# Altium PCB rev6.PcbDoc (part 2 of 4)
Units mil, origin at the board's own origin, x right, y up, seen from the top; angles counter-clockwise.
Board outline 1000 x 900 mil, 2 copper layers (Top Layer, Bottom Layer); 180 components, 16 nets, 1920 pads, 0 vias.
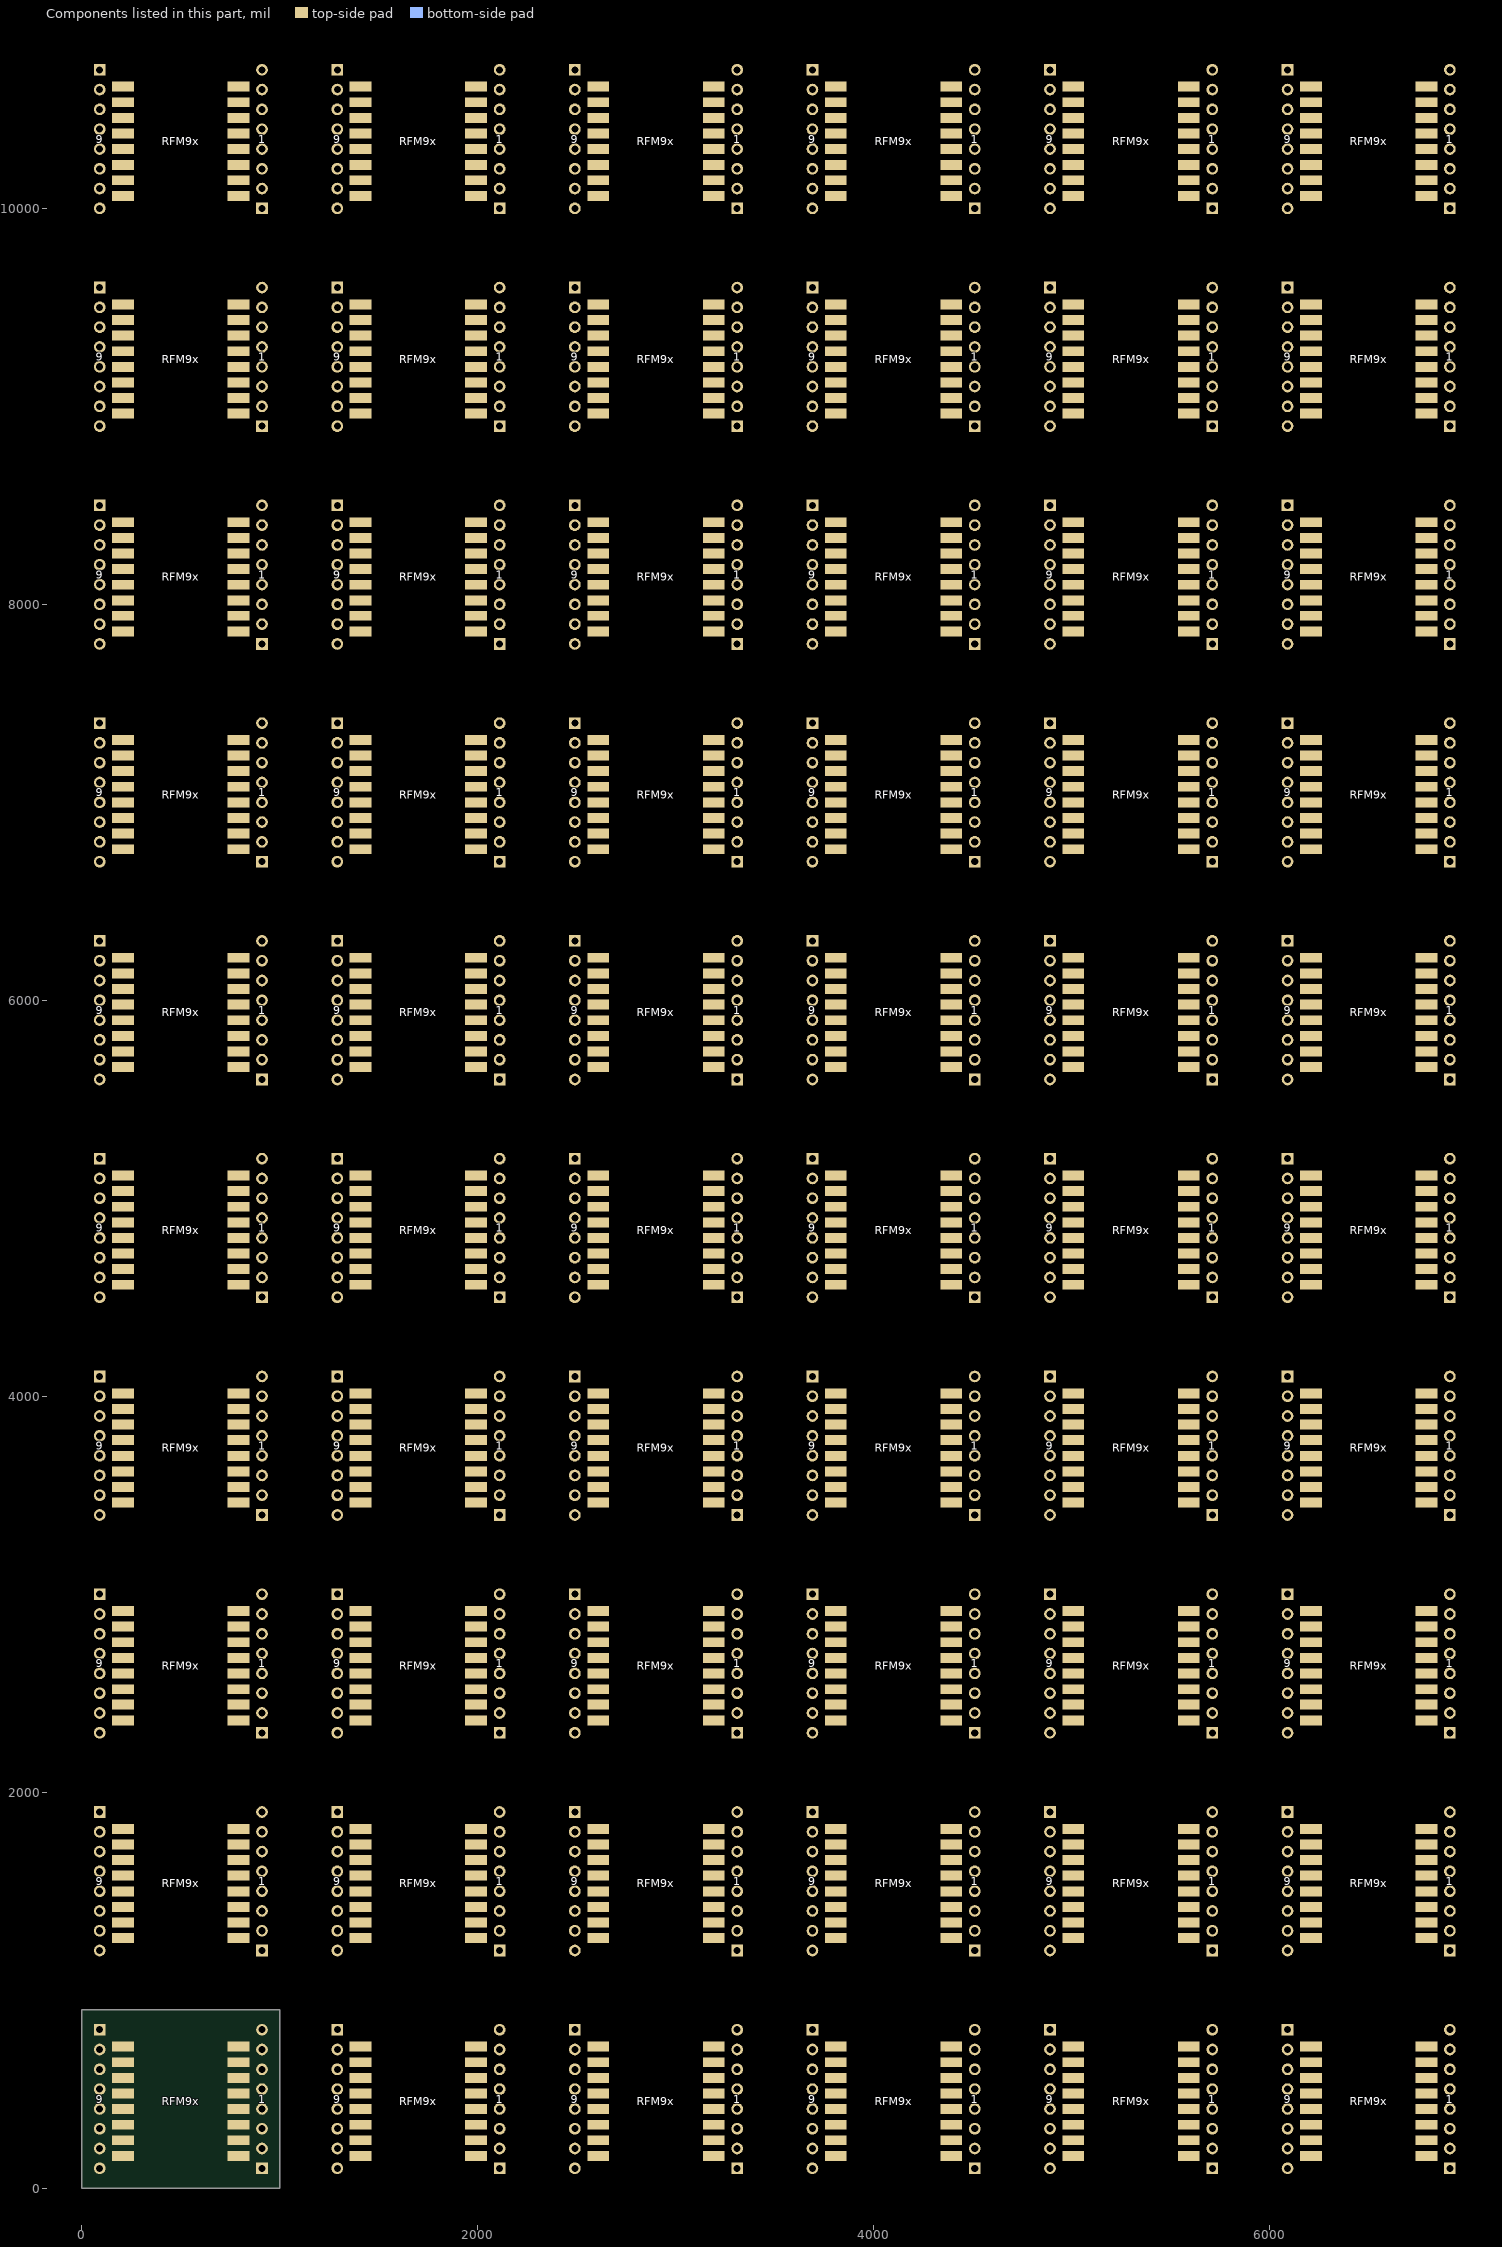
[diagram p2: the components of this part, seen from the top]

## Nets (pads, with @x,y where several pads share a name; then routed paths per layer and width w, separated by ;. In a path a pad name is that pad's centre, name@x,y a point inside that pad or via, vN(x,y) a via of type N, cw(c..) or ccw(c..) an arc to the next point about the centre after c; other vN are vias at no path point) (continued)
pads on no net: 1.1@910,1200 1.1@910,2300 1.1@910,3400 1.1@910,4500 1.1@910,5600 1.1@910,6700 1.1@910,7800 1.1@910,8900 1.1@910,10000 1.1@2110,100 1.1@2110,1200 1.1@2110,2300 1.1@2110,3400 1.1@2110,4500 1.1@2110,5600 1.1@2110,6700 1.1@2110,7800 1.1@2110,8900 1.1@2110,10000 1.1@3310,100 1.1@3310,1200 1.1@3310,2300 1.1@3310,3400 1.1@3310,4500 1.1@3310,5600 1.1@3310,6700 1.1@3310,7800 1.1@3310,8900 1.1@3310,10000 1.1@4510,100 1.1@4510,1200 1.1@4510,2300 1.1@4510,3400 1.1@4510,4500 1.1@4510,5600 1.1@4510,6700 1.1@4510,7800 1.1@4510,8900 1.1@4510,10000 1.1@5710,100 1.1@5710,1200 1.1@5710,2300 1.1@5710,3400 1.1@5710,4500 1.1@5710,5600 1.1@5710,6700 1.1@5710,7800 1.1@5710,8900 1.1@5710,10000 1.1@6910,100 1.1@6910,1200 1.1@6910,2300 1.1@6910,3400 1.1@6910,4500 1.1@6910,5600 1.1@6910,6700 1.1@6910,7800 1.1@6910,8900 1.1@6910,10000 1.2@910,1300 1.2@910,2400 1.2@910,3500 1.2@910,4600 1.2@910,5700 1.2@910,6800 1.2@910,7900 1.2@910,9000 1.2@910,10100 1.2@2110,200 1.2@2110,1300 1.2@2110,2400 1.2@2110,3500 1.2@2110,4600 1.2@2110,5700 1.2@2110,6800 1.2@2110,7900 1.2@2110,9000 1.2@2110,10100 1.2@3310,200 1.2@3310,1300 1.2@3310,2400 1.2@3310,3500 1.2@3310,4600 1.2@3310,5700 1.2@3310,6800 1.2@3310,7900 1.2@3310,9000 1.2@3310,10100 1.2@4510,200 1.2@4510,1300 1.2@4510,2400 1.2@4510,3500 1.2@4510,4600 1.2@4510,5700 1.2@4510,6800 1.2@4510,7900 1.2@4510,9000 1.2@4510,10100 1.2@5710,200 1.2@5710,1300 1.2@5710,2400 1.2@5710,3500 1.2@5710,4600 1.2@5710,5700 1.2@5710,6800 1.2@5710,7900 1.2@5710,9000 1.2@5710,10100 1.2@6910,200 1.2@6910,1300 1.2@6910,2400 1.2@6910,3500 1.2@6910,4600 1.2@6910,5700 1.2@6910,6800 1.2@6910,7900 1.2@6910,9000 1.2@6910,10100 1.3@910,1400 1.3@910,2500 1.3@910,3600 1.3@910,4700 1.3@910,5800 1.3@910,6900 1.3@910,8000 1.3@910,9100 1.3@910,10200 1.3@2110,300 1.3@2110,1400 1.3@2110,2500 1.3@2110,3600 1.3@2110,4700 1.3@2110,5800 1.3@2110,6900 1.3@2110,8000 1.3@2110,9100 1.3@2110,10200 1.3@3310,300 1.3@3310,1400 1.3@3310,2500 1.3@3310,3600 1.3@3310,4700 1.3@3310,5800 1.3@3310,6900 1.3@3310,8000 1.3@3310,9100 1.3@3310,10200 1.3@4510,300 1.3@4510,1400 1.3@4510,2500 1.3@4510,3600 1.3@4510,4700 1.3@4510,5800 1.3@4510,6900 1.3@4510,8000 1.3@4510,9100 1.3@4510,10200 1.3@5710,300 1.3@5710,1400 1.3@5710,2500 1.3@5710,3600 1.3@5710,4700 1.3@5710,5800 1.3@5710,6900 1.3@5710,8000 1.3@5710,9100 1.3@5710,10200 1.3@6910,300 1.3@6910,1400 1.3@6910,2500 1.3@6910,3600 1.3@6910,4700 1.3@6910,5800 1.3@6910,6900 1.3@6910,8000 1.3@6910,9100 1.3@6910,10200 1.4@910,1500 1.4@910,2600 1.4@910,3700 1.4@910,4800 1.4@910,5900 1.4@910,7000 1.4@910,8100 1.4@910,9200 1.4@910,10300 1.4@2110,400 1.4@2110,1500 1.4@2110,2600 1.4@2110,3700 1.4@2110,4800 1.4@2110,5900 1.4@2110,7000 1.4@2110,8100 1.4@2110,9200 1.4@2110,10300 1.4@3310,400 1.4@3310,1500 1.4@3310,2600 1.4@3310,3700 1.4@3310,4800 1.4@3310,5900 1.4@3310,7000 1.4@3310,8100 1.4@3310,9200 1.4@3310,10300 1.4@4510,400 1.4@4510,1500 1.4@4510,2600 1.4@4510,3700 1.4@4510,4800 1.4@4510,5900 1.4@4510,7000 1.4@4510,8100 1.4@4510,9200 1.4@4510,10300 1.4@5710,400 1.4@5710,1500 1.4@5710,2600 1.4@5710,3700 1.4@5710,4800 1.4@5710,5900 1.4@5710,7000 1.4@5710,8100 1.4@5710,9200 1.4@5710,10300 1.4@6910,400 1.4@6910,1500 1.4@6910,2600 1.4@6910,3700 1.4@6910,4800 1.4@6910,5900 1.4@6910,7000 1.4@6910,8100 1.4@6910,9200 1.4@6910,10300 1.5@910,1600 1.5@910,2700 1.5@910,3800 1.5@910,4900 1.5@910,6000 1.5@910,7100 1.5@910,8200 1.5@910,9300 1.5@910,10400 1.5@2110,500 1.5@2110,1600 1.5@2110,2700 1.5@2110,3800 1.5@2110,4900 1.5@2110,6000 1.5@2110,7100 1.5@2110,8200 1.5@2110,9300 1.5@2110,10400 1.5@3310,500 1.5@3310,1600 1.5@3310,2700 1.5@3310,3800 1.5@3310,4900 1.5@3310,6000 1.5@3310,7100 1.5@3310,8200 1.5@3310,9300 1.5@3310,10400 1.5@4510,500 1.5@4510,1600 1.5@4510,2700 1.5@4510,3800 1.5@4510,4900 1.5@4510,6000 1.5@4510,7100 1.5@4510,8200 1.5@4510,9300 1.5@4510,10400 1.5@5710,500 1.5@5710,1600 1.5@5710,2700 1.5@5710,3800 1.5@5710,4900 1.5@5710,6000 1.5@5710,7100 1.5@5710,8200 1.5@5710,9300 1.5@5710,10400 1.5@6910,500 1.5@6910,1600 1.5@6910,2700 1.5@6910,3800 1.5@6910,4900 1.5@6910,6000 1.5@6910,7100 1.5@6910,8200 1.5@6910,9300 1.5@6910,10400 1.6@910,1700 1.6@910,2800 1.6@910,3900 1.6@910,5000 1.6@910,6100 1.6@910,7200 1.6@910,8300 1.6@910,9400 1.6@910,10500 1.6@2110,600 1.6@2110,1700 1.6@2110,2800 1.6@2110,3900 1.6@2110,5000 1.6@2110,6100 1.6@2110,7200 1.6@2110,8300 1.6@2110,9400 1.6@2110,10500 1.6@3310,600 1.6@3310,1700 1.6@3310,2800 1.6@3310,3900 1.6@3310,5000 1.6@3310,6100 1.6@3310,7200 1.6@3310,8300 1.6@3310,9400 1.6@3310,10500 1.6@4510,600 1.6@4510,1700 1.6@4510,2800 1.6@4510,3900 1.6@4510,5000 1.6@4510,6100 1.6@4510,7200 1.6@4510,8300 1.6@4510,9400 1.6@4510,10500 1.6@5710,600 1.6@5710,1700 1.6@5710,2800 1.6@5710,3900 1.6@5710,5000 1.6@5710,6100 1.6@5710,7200 1.6@5710,8300 1.6@5710,9400 1.6@5710,10500 1.6@6910,600 1.6@6910,1700 1.6@6910,2800 1.6@6910,3900 1.6@6910,5000 1.6@6910,6100 1.6@6910,7200 1.6@6910,8300 1.6@6910,9400 1.6@6910,10500 1.7@910,1800 1.7@910,2900 1.7@910,4000 1.7@910,5100 1.7@910,6200 1.7@910,7300 1.7@910,8400 1.7@910,9500 1.7@910,10600 1.7@2110,700 1.7@2110,1800 1.7@2110,2900 1.7@2110,4000 1.7@2110,5100 1.7@2110,6200 1.7@2110,7300 1.7@2110,8400 1.7@2110,9500 1.7@2110,10600 1.7@3310,700 1.7@3310,1800 1.7@3310,2900 1.7@3310,4000 1.7@3310,5100 1.7@3310,6200 1.7@3310,7300 1.7@3310,8400 1.7@3310,9500 1.7@3310,10600 1.7@4510,700 1.7@4510,1800 1.7@4510,2900 1.7@4510,4000 1.7@4510,5100 1.7@4510,6200 1.7@4510,7300 1.7@4510,8400 1.7@4510,9500 1.7@4510,10600 1.7@5710,700 1.7@5710,1800 1.7@5710,2900 1.7@5710,4000 1.7@5710,5100 1.7@5710,6200 1.7@5710,7300 1.7@5710,8400 1.7@5710,9500 1.7@5710,10600 1.7@6910,700 1.7@6910,1800 1.7@6910,2900 1.7@6910,4000 1.7@6910,5100 1.7@6910,6200 1.7@6910,7300 1.7@6910,8400 1.7@6910,9500 1.7@6910,10600 1.8@910,1900 1.8@910,3000 1.8@910,4100 1.8@910,5200 1.8@910,6300 1.8@910,7400 1.8@910,8500 1.8@910,9600 1.8@910,10700 1.8@2110,800 1.8@2110,1900 1.8@2110,3000 1.8@2110,4100 1.8@2110,5200 1.8@2110,6300 1.8@2110,7400 1.8@2110,8500 1.8@2110,9600 1.8@2110,10700 1.8@3310,800 1.8@3310,1900 1.8@3310,3000 1.8@3310,4100 1.8@3310,5200 1.8@3310,6300 1.8@3310,7400 1.8@3310,8500 1.8@3310,9600 1.8@3310,10700 1.8@4510,800 1.8@4510,1900 1.8@4510,3000 1.8@4510,4100 1.8@4510,5200 1.8@4510,6300 1.8@4510,7400 1.8@4510,8500 1.8@4510,9600 1.8@4510,10700 1.8@5710,800 1.8@5710,1900 1.8@5710,3000 1.8@5710,4100 1.8@5710,5200 1.8@5710,6300 1.8@5710,7400 1.8@5710,8500 1.8@5710,9600 1.8@5710,10700 1.8@6910,800 1.8@6910,1900 1.8@6910,3000 1.8@6910,4100 1.8@6910,5200 1.8@6910,6300 1.8@6910,7400 1.8@6910,8500 1.8@6910,9600 1.8@6910,10700 9.1@90,1900 9.1@90,3000 9.1@90,4100 9.1@90,5200 9.1@90,6300 9.1@90,7400 9.1@90,8500 9.1@90,9600 9.1@90,10700 9.1@1290,800 9.1@1290,1900 9.1@1290,3000 9.1@1290,4100 9.1@1290,5200 9.1@1290,6300 9.1@1290,7400 9.1@1290,8500 9.1@1290,9600 9.1@1290,10700 9.1@2490,800 9.1@2490,1900 9.1@2490,3000 9.1@2490,4100 9.1@2490,5200 9.1@2490,6300 9.1@2490,7400 9.1@2490,8500 9.1@2490,9600 9.1@2490,10700 9.1@3690,800 9.1@3690,1900 9.1@3690,3000 9.1@3690,4100 9.1@3690,5200 9.1@3690,6300 9.1@3690,7400 9.1@3690,8500 9.1@3690,9600 9.1@3690,10700 9.1@4890,800 9.1@4890,1900 9.1@4890,3000 9.1@4890,4100 9.1@4890,5200 9.1@4890,6300 9.1@4890,7400 9.1@4890,8500 9.1@4890,9600 9.1@4890,10700 9.1@6090,800 9.1@6090,1900 9.1@6090,3000 9.1@6090,4100 9.1@6090,5200 9.1@6090,6300 9.1@6090,7400 9.1@6090,8500 9.1@6090,9600 9.1@6090,10700 9.2@90,1800 9.2@90,2900 9.2@90,4000 9.2@90,5100 9.2@90,6200 9.2@90,7300 9.2@90,8400 9.2@90,9500 9.2@90,10600 9.2@1290,700 9.2@1290,1800 9.2@1290,2900 9.2@1290,4000 9.2@1290,5100 9.2@1290,6200 9.2@1290,7300 9.2@1290,8400 9.2@1290,9500 9.2@1290,10600 9.2@2490,700 9.2@2490,1800 9.2@2490,2900 9.2@2490,4000 9.2@2490,5100 9.2@2490,6200 9.2@2490,7300 9.2@2490,8400 9.2@2490,9500 9.2@2490,10600 9.2@3690,700 9.2@3690,1800 9.2@3690,2900 9.2@3690,4000 9.2@3690,5100 9.2@3690,6200 9.2@3690,7300 9.2@3690,8400 9.2@3690,9500 9.2@3690,10600 9.2@4890,700 9.2@4890,1800 9.2@4890,2900 9.2@4890,4000 9.2@4890,5100 9.2@4890,6200 9.2@4890,7300 9.2@4890,8400 9.2@4890,9500 9.2@4890,10600 9.2@6090,700 9.2@6090,1800 9.2@6090,2900 9.2@6090,4000 9.2@6090,5100 9.2@6090,6200 9.2@6090,7300 9.2@6090,8400 9.2@6090,9500 9.2@6090,10600 9.3@90,1700 9.3@90,2800 9.3@90,3900 9.3@90,5000 9.3@90,6100 9.3@90,7200 9.3@90,8300 9.3@90,9400 9.3@90,10500 9.3@1290,600 9.3@1290,1700 9.3@1290,2800 9.3@1290,3900 9.3@1290,5000 9.3@1290,6100 9.3@1290,7200 9.3@1290,8300 9.3@1290,9400 9.3@1290,10500 9.3@2490,600 9.3@2490,1700 9.3@2490,2800 9.3@2490,3900 9.3@2490,5000 9.3@2490,6100 9.3@2490,7200 9.3@2490,8300 9.3@2490,9400 9.3@2490,10500 9.3@3690,600 9.3@3690,1700 9.3@3690,2800 9.3@3690,3900 9.3@3690,5000 9.3@3690,6100 9.3@3690,7200 9.3@3690,8300 9.3@3690,9400 9.3@3690,10500 9.3@4890,600 9.3@4890,1700 9.3@4890,2800 9.3@4890,3900 9.3@4890,5000 9.3@4890,6100 9.3@4890,7200 9.3@4890,8300 9.3@4890,9400 9.3@4890,10500 9.3@6090,600 9.3@6090,1700 9.3@6090,2800 9.3@6090,3900 9.3@6090,5000 9.3@6090,6100 9.3@6090,7200 9.3@6090,8300 9.3@6090,9400 9.3@6090,10500 9.4@90,1600 9.4@90,2700 9.4@90,3800 9.4@90,4900 9.4@90,6000 9.4@90,7100 9.4@90,8200 9.4@90,9300 9.4@90,10400 9.4@1290,500 9.4@1290,1600 9.4@1290,2700 9.4@1290,3800 9.4@1290,4900 9.4@1290,6000 9.4@1290,7100 9.4@1290,8200 9.4@1290,9300 9.4@1290,10400 9.4@2490,500 9.4@2490,1600 9.4@2490,2700 9.4@2490,3800 9.4@2490,4900 9.4@2490,6000 9.4@2490,7100 9.4@2490,8200 9.4@2490,9300 9.4@2490,10400 9.4@3690,500 9.4@3690,1600 9.4@3690,2700 9.4@3690,3800 9.4@3690,4900 9.4@3690,6000 9.4@3690,7100 9.4@3690,8200 9.4@3690,9300 9.4@3690,10400 9.4@4890,500 9.4@4890,1600 9.4@4890,2700 9.4@4890,3800 9.4@4890,4900 9.4@4890,6000 9.4@4890,7100 9.4@4890,8200 9.4@4890,9300 9.4@4890,10400 9.4@6090,500 9.4@6090,1600 9.4@6090,2700 9.4@6090,3800 9.4@6090,4900 9.4@6090,6000 9.4@6090,7100 9.4@6090,8200 9.4@6090,9300 9.4@6090,10400 9.5@90,1500 9.5@90,2600 9.5@90,3700 9.5@90,4800 9.5@90,5900 9.5@90,7000 9.5@90,8100 9.5@90,9200 9.5@90,10300 9.5@1290,400 9.5@1290,1500 9.5@1290,2600 9.5@1290,3700 9.5@1290,4800 9.5@1290,5900 9.5@1290,7000 9.5@1290,8100 9.5@1290,9200 9.5@1290,10300 9.5@2490,400 9.5@2490,1500 9.5@2490,2600 9.5@2490,3700 9.5@2490,4800 9.5@2490,5900 9.5@2490,7000 9.5@2490,8100 9.5@2490,9200 9.5@2490,10300 9.5@3690,400 9.5@3690,1500 9.5@3690,2600 9.5@3690,3700 9.5@3690,4800 9.5@3690,5900 9.5@3690,7000 9.5@3690,8100 9.5@3690,9200 9.5@3690,10300 9.5@4890,400 9.5@4890,1500 9.5@4890,2600 9.5@4890,3700 9.5@4890,4800 9.5@4890,5900 9.5@4890,7000 9.5@4890,8100 9.5@4890,9200 9.5@4890,10300 9.5@6090,400 9.5@6090,1500 9.5@6090,2600 9.5@6090,3700 9.5@6090,4800 9.5@6090,5900 9.5@6090,7000 9.5@6090,8100 9.5@6090,9200 9.5@6090,10300 9.6@90,1400 9.6@90,2500 9.6@90,3600 9.6@90,4700 9.6@90,5800 9.6@90,6900 9.6@90,8000 9.6@90,9100 9.6@90,10200 9.6@1290,300 9.6@1290,1400 9.6@1290,2500 9.6@1290,3600 9.6@1290,4700 9.6@1290,5800 9.6@1290,6900 9.6@1290,8000 9.6@1290,9100 9.6@1290,10200 9.6@2490,300 9.6@2490,1400 9.6@2490,2500 9.6@2490,3600 9.6@2490,4700 9.6@2490,5800 9.6@2490,6900 9.6@2490,8000 9.6@2490,9100 9.6@2490,10200 9.6@3690,300 9.6@3690,1400 9.6@3690,2500 9.6@3690,3600 9.6@3690,4700 9.6@3690,5800 9.6@3690,6900 9.6@3690,8000 9.6@3690,9100 9.6@3690,10200 9.6@4890,300 9.6@4890,1400 9.6@4890,2500 9.6@4890,3600 9.6@4890,4700 9.6@4890,5800 9.6@4890,6900 9.6@4890,8000 9.6@4890,9100 9.6@4890,10200 9.6@6090,300 9.6@6090,1400 9.6@6090,2500 9.6@6090,3600 9.6@6090,4700 9.6@6090,5800 9.6@6090,6900 9.6@6090,8000 9.6@6090,9100 9.6@6090,10200 9.7@90,1300 9.7@90,2400 9.7@90,3500 9.7@90,4600 9.7@90,5700 9.7@90,6800 9.7@90,7900 9.7@90,9000 9.7@90,10100 9.7@1290,200 9.7@1290,1300 9.7@1290,2400 9.7@1290,3500 9.7@1290,4600 9.7@1290,5700 9.7@1290,6800 9.7@1290,7900 9.7@1290,9000 9.7@1290,10100 9.7@2490,200 9.7@2490,1300 9.7@2490,2400 9.7@2490,3500 9.7@2490,4600 9.7@2490,5700 9.7@2490,6800 9.7@2490,7900 9.7@2490,9000 9.7@2490,10100 9.7@3690,200 9.7@3690,1300 9.7@3690,2400 9.7@3690,3500 9.7@3690,4600 9.7@3690,5700 9.7@3690,6800 9.7@3690,7900 9.7@3690,9000 9.7@3690,10100 9.7@4890,200 9.7@4890,1300 9.7@4890,2400 9.7@4890,3500 9.7@4890,4600 9.7@4890,5700 9.7@4890,6800 9.7@4890,7900 9.7@4890,9000 9.7@4890,10100 9.7@6090,200 9.7@6090,1300 9.7@6090,2400 9.7@6090,3500 9.7@6090,4600 9.7@6090,5700 9.7@6090,6800 9.7@6090,7900 9.7@6090,9000 9.7@6090,10100 9.8@90,1200 9.8@90,2300 9.8@90,3400 9.8@90,4500 9.8@90,5600 9.8@90,6700 9.8@90,7800 9.8@90,8900 9.8@90,10000 9.8@1290,100 9.8@1290,1200 9.8@1290,2300 9.8@1290,3400 9.8@1290,4500 9.8@1290,5600 9.8@1290,6700 9.8@1290,7800 9.8@1290,8900 9.8@1290,10000 9.8@2490,100 9.8@2490,1200 9.8@2490,2300 9.8@2490,3400 9.8@2490,4500 9.8@2490,5600 9.8@2490,6700 9.8@2490,7800 9.8@2490,8900 9.8@2490,10000 9.8@3690,100 9.8@3690,1200 9.8@3690,2300 9.8@3690,3400 9.8@3690,4500 9.8@3690,5600 9.8@3690,6700 9.8@3690,7800 9.8@3690,8900 9.8@3690,10000 9.8@4890,100 9.8@4890,1200 9.8@4890,2300 9.8@4890,3400 9.8@4890,4500 9.8@4890,5600 9.8@4890,6700 9.8@4890,7800 9.8@4890,8900 9.8@4890,10000 9.8@6090,100 9.8@6090,1200 9.8@6090,2300 9.8@6090,3400 9.8@6090,4500 9.8@6090,5600 9.8@6090,6700 9.8@6090,7800 9.8@6090,8900 9.8@6090,10000 RFM9x.1@791.34,1263 RFM9x.1@791.34,2363 RFM9x.1@791.34,3463 RFM9x.1@791.34,4563 RFM9x.1@791.34,5663 RFM9x.1@791.34,6763 RFM9x.1@791.34,7863 RFM9x.1@791.34,8963 RFM9x.1@791.34,10063 RFM9x.1@1991.34,163 RFM9x.1@1991.34,1263 RFM9x.1@1991.34,2363 RFM9x.1@1991.34,3463 RFM9x.1@1991.34,4563 RFM9x.1@1991.34,5663 RFM9x.1@1991.34,6763 RFM9x.1@1991.34,7863 RFM9x.1@1991.34,8963 RFM9x.1@1991.34,10063 RFM9x.1@3191.34,163 RFM9x.1@3191.34,1263 RFM9x.1@3191.34,2363 RFM9x.1@3191.34,3463 RFM9x.1@3191.34,4563 RFM9x.1@3191.34,5663 RFM9x.1@3191.34,6763 RFM9x.1@3191.34,7863 RFM9x.1@3191.34,8963 RFM9x.1@3191.34,10063 RFM9x.1@4391.34,163 RFM9x.1@4391.34,1263 RFM9x.1@4391.34,2363 RFM9x.1@4391.34,3463 RFM9x.1@4391.34,4563 RFM9x.1@4391.34,5663 RFM9x.1@4391.34,6763 RFM9x.1@4391.34,7863 RFM9x.1@4391.34,8963 RFM9x.1@4391.34,10063 RFM9x.1@5591.34,163 RFM9x.1@5591.34,1263 RFM9x.1@5591.34,2363 RFM9x.1@5591.34,3463 RFM9x.1@5591.34,4563 RFM9x.1@5591.34,5663 RFM9x.1@5591.34,6763 RFM9x.1@5591.34,7863 RFM9x.1@5591.34,8963 RFM9x.1@5591.34,10063 RFM9x.1@6791.34,163 RFM9x.1@6791.34,1263 RFM9x.1@6791.34,2363 RFM9x.1@6791.34,3463 RFM9x.1@6791.34,4563 RFM9x.1@6791.34,5663 RFM9x.1@6791.34,6763 RFM9x.1@6791.34,7863 RFM9x.1@6791.34,8963 RFM9x.1@6791.34,10063 RFM9x.2@791.34,1342 RFM9x.2@791.34,2442 RFM9x.2@791.34,3542 RFM9x.2@791.34,4642 RFM9x.2@791.34,5742 RFM9x.2@791.34,6842 RFM9x.2@791.34,7942 RFM9x.2@791.34,9042 RFM9x.2@791.34,10142 RFM9x.2@1991.34,242 RFM9x.2@1991.34,1342 RFM9x.2@1991.34,2442 RFM9x.2@1991.34,3542 RFM9x.2@1991.34,4642 RFM9x.2@1991.34,5742 RFM9x.2@1991.34,6842 RFM9x.2@1991.34,7942 RFM9x.2@1991.34,9042 RFM9x.2@1991.34,10142 RFM9x.2@3191.34,242 RFM9x.2@3191.34,1342 RFM9x.2@3191.34,2442 RFM9x.2@3191.34,3542 RFM9x.2@3191.34,4642 RFM9x.2@3191.34,5742 RFM9x.2@3191.34,6842 RFM9x.2@3191.34,7942 RFM9x.2@3191.34,9042 RFM9x.2@3191.34,10142 RFM9x.2@4391.34,242 RFM9x.2@4391.34,1342 RFM9x.2@4391.34,2442 RFM9x.2@4391.34,3542 RFM9x.2@4391.34,4642 RFM9x.2@4391.34,5742 RFM9x.2@4391.34,6842 RFM9x.2@4391.34,7942 RFM9x.2@4391.34,9042 RFM9x.2@4391.34,10142 RFM9x.2@5591.34,242 RFM9x.2@5591.34,1342 RFM9x.2@5591.34,2442 RFM9x.2@5591.34,3542 RFM9x.2@5591.34,4642 RFM9x.2@5591.34,5742 RFM9x.2@5591.34,6842 RFM9x.2@5591.34,7942 RFM9x.2@5591.34,9042 RFM9x.2@5591.34,10142 RFM9x.2@6791.34,242 RFM9x.2@6791.34,1342 RFM9x.2@6791.34,2442 RFM9x.2@6791.34,3542 RFM9x.2@6791.34,4642 RFM9x.2@6791.34,5742 RFM9x.2@6791.34,6842 RFM9x.2@6791.34,7942 RFM9x.2@6791.34,9042 RFM9x.2@6791.34,10142 RFM9x.3@791.34,1420 RFM9x.3@791.34,2520 RFM9x.3@791.34,3620 RFM9x.3@791.34,4720 RFM9x.3@791.34,5820 RFM9x.3@791.34,6920 RFM9x.3@791.34,8020 RFM9x.3@791.34,9120 RFM9x.3@791.34,10220 RFM9x.3@1991.34,320 RFM9x.3@1991.34,1420 RFM9x.3@1991.34,2520 RFM9x.3@1991.34,3620 RFM9x.3@1991.34,4720 RFM9x.3@1991.34,5820 RFM9x.3@1991.34,6920 RFM9x.3@1991.34,8020 RFM9x.3@1991.34,9120 RFM9x.3@1991.34,10220 RFM9x.3@3191.34,320 RFM9x.3@3191.34,1420 RFM9x.3@3191.34,2520 RFM9x.3@3191.34,3620 RFM9x.3@3191.34,4720 RFM9x.3@3191.34,5820 RFM9x.3@3191.34,6920 RFM9x.3@3191.34,8020 RFM9x.3@3191.34,9120 RFM9x.3@3191.34,10220 RFM9x.3@4391.34,320 RFM9x.3@4391.34,1420 RFM9x.3@4391.34,2520 RFM9x.3@4391.34,3620 RFM9x.3@4391.34,4720 RFM9x.3@4391.34,5820 RFM9x.3@4391.34,6920 RFM9x.3@4391.34,8020 RFM9x.3@4391.34,9120 RFM9x.3@4391.34,10220 RFM9x.3@5591.34,320 RFM9x.3@5591.34,1420 RFM9x.3@5591.34,2520 RFM9x.3@5591.34,3620 RFM9x.3@5591.34,4720 RFM9x.3@5591.34,5820 RFM9x.3@5591.34,6920 RFM9x.3@5591.34,8020 RFM9x.3@5591.34,9120 RFM9x.3@5591.34,10220 RFM9x.3@6791.34,320 RFM9x.3@6791.34,1420 RFM9x.3@6791.34,2520 RFM9x.3@6791.34,3620 RFM9x.3@6791.34,4720 RFM9x.3@6791.34,5820 RFM9x.3@6791.34,6920 RFM9x.3@6791.34,8020 RFM9x.3@6791.34,9120 RFM9x.3@6791.34,10220 RFM9x.4@791.34,1499 RFM9x.4@791.34,2599 RFM9x.4@791.34,3699 RFM9x.4@791.34,4799 RFM9x.4@791.34,5899 RFM9x.4@791.34,6999 RFM9x.4@791.34,8099 RFM9x.4@791.34,9199 RFM9x.4@791.34,10299 RFM9x.4@1991.34,399 RFM9x.4@1991.34,1499 RFM9x.4@1991.34,2599 RFM9x.4@1991.34,3699 RFM9x.4@1991.34,4799 RFM9x.4@1991.34,5899 RFM9x.4@1991.34,6999 RFM9x.4@1991.34,8099 RFM9x.4@1991.34,9199 RFM9x.4@1991.34,10299 RFM9x.4@3191.34,399 RFM9x.4@3191.34,1499 RFM9x.4@3191.34,2599 RFM9x.4@3191.34,3699 RFM9x.4@3191.34,4799 RFM9x.4@3191.34,5899 RFM9x.4@3191.34,6999 RFM9x.4@3191.34,8099 RFM9x.4@3191.34,9199 RFM9x.4@3191.34,10299 RFM9x.4@4391.34,399 RFM9x.4@4391.34,1499 RFM9x.4@4391.34,2599 RFM9x.4@4391.34,3699 RFM9x.4@4391.34,4799 RFM9x.4@4391.34,5899 RFM9x.4@4391.34,6999 RFM9x.4@4391.34,8099 RFM9x.4@4391.34,9199 RFM9x.4@4391.34,10299 RFM9x.4@5591.34,399 RFM9x.4@5591.34,1499 RFM9x.4@5591.34,2599 RFM9x.4@5591.34,3699 RFM9x.4@5591.34,4799 RFM9x.4@5591.34,5899 RFM9x.4@5591.34,6999 RFM9x.4@5591.34,8099 RFM9x.4@5591.34,9199 RFM9x.4@5591.34,10299 RFM9x.4@6791.34,399 RFM9x.4@6791.34,1499 RFM9x.4@6791.34,2599 RFM9x.4@6791.34,3699 RFM9x.4@6791.34,4799 RFM9x.4@6791.34,5899 RFM9x.4@6791.34,6999 RFM9x.4@6791.34,8099 RFM9x.4@6791.34,9199 RFM9x.4@6791.34,10299 RFM9x.5@791.34,1578.37 RFM9x.5@791.34,2678.37 RFM9x.5@791.34,3778.37 RFM9x.5@791.34,4878.37 RFM9x.5@791.34,5978.37 RFM9x.5@791.34,7078.37 RFM9x.5@791.34,8178.37 RFM9x.5@791.34,9278.37 RFM9x.5@791.34,10378.37 RFM9x.5@1991.34,478.37 RFM9x.5@1991.34,1578.37 RFM9x.5@1991.34,2678.37 RFM9x.5@1991.34,3778.37 RFM9x.5@1991.34,4878.37 RFM9x.5@1991.34,5978.37 RFM9x.5@1991.34,7078.37 RFM9x.5@1991.34,8178.37 RFM9x.5@1991.34,9278.37 RFM9x.5@1991.34,10378.37 RFM9x.5@3191.34,478.37 RFM9x.5@3191.34,1578.37 RFM9x.5@3191.34,2678.37 RFM9x.5@3191.34,3778.37 RFM9x.5@3191.34,4878.37 RFM9x.5@3191.34,5978.37 RFM9x.5@3191.34,7078.37 RFM9x.5@3191.34,8178.37 RFM9x.5@3191.34,9278.37 RFM9x.5@3191.34,10378.37 RFM9x.5@4391.34,478.37 RFM9x.5@4391.34,1578.37 RFM9x.5@4391.34,2678.37 RFM9x.5@4391.34,3778.37 RFM9x.5@4391.34,4878.37 RFM9x.5@4391.34,5978.37 RFM9x.5@4391.34,7078.37 RFM9x.5@4391.34,8178.37 RFM9x.5@4391.34,9278.37 RFM9x.5@4391.34,10378.37 RFM9x.5@5591.34,478.37 RFM9x.5@5591.34,1578.37 RFM9x.5@5591.34,2678.37 RFM9x.5@5591.34,3778.37 RFM9x.5@5591.34,4878.37 RFM9x.5@5591.34,5978.37 RFM9x.5@5591.34,7078.37 RFM9x.5@5591.34,8178.37 RFM9x.5@5591.34,9278.37 RFM9x.5@5591.34,10378.37 RFM9x.5@6791.34,478.37 RFM9x.5@6791.34,1578.37 RFM9x.5@6791.34,2678.37 RFM9x.5@6791.34,3778.37 RFM9x.5@6791.34,4878.37 RFM9x.5@6791.34,5978.37 RFM9x.5@6791.34,7078.37 RFM9x.5@6791.34,8178.37 RFM9x.5@6791.34,9278.37 RFM9x.5@6791.34,10378.37 RFM9x.6@791.34,1657.11 RFM9x.6@791.34,2757.11 RFM9x.6@791.34,3857.11 RFM9x.6@791.34,4957.11 RFM9x.6@791.34,6057.11 RFM9x.6@791.34,7157.11 RFM9x.6@791.34,8257.11 RFM9x.6@791.34,9357.11 RFM9x.6@791.34,10457.11 RFM9x.6@1991.34,557.11 RFM9x.6@1991.34,1657.11 RFM9x.6@1991.34,2757.11 RFM9x.6@1991.34,3857.11 RFM9x.6@1991.34,4957.11 RFM9x.6@1991.34,6057.11 RFM9x.6@1991.34,7157.11 RFM9x.6@1991.34,8257.11 RFM9x.6@1991.34,9357.11 RFM9x.6@1991.34,10457.11 RFM9x.6@3191.34,557.11 RFM9x.6@3191.34,1657.11 RFM9x.6@3191.34,2757.11 RFM9x.6@3191.34,3857.11 RFM9x.6@3191.34,4957.11 RFM9x.6@3191.34,6057.11 RFM9x.6@3191.34,7157.11 RFM9x.6@3191.34,8257.11 RFM9x.6@3191.34,9357.11 RFM9x.6@3191.34,10457.11 RFM9x.6@4391.34,557.11 RFM9x.6@4391.34,1657.11 RFM9x.6@4391.34,2757.11 RFM9x.6@4391.34,3857.11 RFM9x.6@4391.34,4957.11 RFM9x.6@4391.34,6057.11 RFM9x.6@4391.34,7157.11 RFM9x.6@4391.34,8257.11 RFM9x.6@4391.34,9357.11 RFM9x.6@4391.34,10457.11 RFM9x.6@5591.34,557.11 RFM9x.6@5591.34,1657.11 RFM9x.6@5591.34,2757.11 RFM9x.6@5591.34,3857.11 RFM9x.6@5591.34,4957.11 RFM9x.6@5591.34,6057.11 RFM9x.6@5591.34,7157.11 RFM9x.6@5591.34,8257.11 RFM9x.6@5591.34,9357.11 RFM9x.6@5591.34,10457.11 RFM9x.6@6791.34,557.11 RFM9x.6@6791.34,1657.11 RFM9x.6@6791.34,2757.11 RFM9x.6@6791.34,3857.11 RFM9x.6@6791.34,4957.11 RFM9x.6@6791.34,6057.11 RFM9x.6@6791.34,7157.11 RFM9x.6@6791.34,8257.11 RFM9x.6@6791.34,9357.11 RFM9x.6@6791.34,10457.11 RFM9x.7@791.34,1735.85 RFM9x.7@791.34,2835.85 RFM9x.7@791.34,3935.85 RFM9x.7@791.34,5035.85 RFM9x.7@791.34,6135.85 RFM9x.7@791.34,7235.85 RFM9x.7@791.34,8335.85 RFM9x.7@791.34,9435.85 RFM9x.7@791.34,10535.85 RFM9x.7@1991.34,635.85 RFM9x.7@1991.34,1735.85 RFM9x.7@1991.34,2835.85 RFM9x.7@1991.34,3935.85 RFM9x.7@1991.34,5035.85 RFM9x.7@1991.34,6135.85 RFM9x.7@1991.34,7235.85 RFM9x.7@1991.34,8335.85 RFM9x.7@1991.34,9435.85 RFM9x.7@1991.34,10535.85 RFM9x.7@3191.34,635.85 RFM9x.7@3191.34,1735.85 RFM9x.7@3191.34,2835.85 RFM9x.7@3191.34,3935.85 RFM9x.7@3191.34,5035.85 RFM9x.7@3191.34,6135.85 RFM9x.7@3191.34,7235.85 RFM9x.7@3191.34,8335.85 RFM9x.7@3191.34,9435.85 RFM9x.7@3191.34,10535.85 RFM9x.7@4391.34,635.85 RFM9x.7@4391.34,1735.85 RFM9x.7@4391.34,2835.85 RFM9x.7@4391.34,3935.85 RFM9x.7@4391.34,5035.85 RFM9x.7@4391.34,6135.85 RFM9x.7@4391.34,7235.85 RFM9x.7@4391.34,8335.85 RFM9x.7@4391.34,9435.85 RFM9x.7@4391.34,10535.85 RFM9x.7@5591.34,635.85 RFM9x.7@5591.34,1735.85 RFM9x.7@5591.34,2835.85 RFM9x.7@5591.34,3935.85 RFM9x.7@5591.34,5035.85 RFM9x.7@5591.34,6135.85 RFM9x.7@5591.34,7235.85 RFM9x.7@5591.34,8335.85 RFM9x.7@5591.34,9435.85 RFM9x.7@5591.34,10535.85 RFM9x.7@6791.34,635.85 RFM9x.7@6791.34,1735.85 RFM9x.7@6791.34,2835.85 RFM9x.7@6791.34,3935.85 RFM9x.7@6791.34,5035.85 RFM9x.7@6791.34,6135.85 RFM9x.7@6791.34,7235.85 RFM9x.7@6791.34,8335.85 RFM9x.7@6791.34,9435.85 RFM9x.7@6791.34,10535.85 RFM9x.8@791.34,1814.59 RFM9x.8@791.34,2914.59 RFM9x.8@791.34,4014.59 RFM9x.8@791.34,5114.59 RFM9x.8@791.34,6214.59 RFM9x.8@791.34,7314.59 RFM9x.8@791.34,8414.59 RFM9x.8@791.34,9514.59 RFM9x.8@791.34,10614.59 RFM9x.8@1991.34,714.59 RFM9x.8@1991.34,1814.59 RFM9x.8@1991.34,2914.59 RFM9x.8@1991.34,4014.59 RFM9x.8@1991.34,5114.59 RFM9x.8@1991.34,6214.59 RFM9x.8@1991.34,7314.59 RFM9x.8@1991.34,8414.59 RFM9x.8@1991.34,9514.59 RFM9x.8@1991.34,10614.59 RFM9x.8@3191.34,714.59 RFM9x.8@3191.34,1814.59 RFM9x.8@3191.34,2914.59 RFM9x.8@3191.34,4014.59 RFM9x.8@3191.34,5114.59 RFM9x.8@3191.34,6214.59 RFM9x.8@3191.34,7314.59 RFM9x.8@3191.34,8414.59 RFM9x.8@3191.34,9514.59 RFM9x.8@3191.34,10614.59 RFM9x.8@4391.34,714.59 RFM9x.8@4391.34,1814.59 RFM9x.8@4391.34,2914.59 RFM9x.8@4391.34,4014.59 RFM9x.8@4391.34,5114.59 RFM9x.8@4391.34,6214.59 RFM9x.8@4391.34,7314.59 RFM9x.8@4391.34,8414.59 RFM9x.8@4391.34,9514.59 RFM9x.8@4391.34,10614.59 RFM9x.8@5591.34,714.59 RFM9x.8@5591.34,1814.59 RFM9x.8@5591.34,2914.59 RFM9x.8@5591.34,4014.59 RFM9x.8@5591.34,5114.59 RFM9x.8@5591.34,6214.59 RFM9x.8@5591.34,7314.59 RFM9x.8@5591.34,8414.59 RFM9x.8@5591.34,9514.59 RFM9x.8@5591.34,10614.59 RFM9x.8@6791.34,714.59 RFM9x.8@6791.34,1814.59 RFM9x.8@6791.34,2914.59 RFM9x.8@6791.34,4014.59 RFM9x.8@6791.34,5114.59 RFM9x.8@6791.34,6214.59 RFM9x.8@6791.34,7314.59 RFM9x.8@6791.34,8414.59 RFM9x.8@6791.34,9514.59 RFM9x.8@6791.34,10614.59 RFM9x.9@208,1814.59 RFM9x.9@208,2914.59 RFM9x.9@208,4014.59 RFM9x.9@208,5114.59 RFM9x.9@208,6214.59 RFM9x.9@208,7314.59 RFM9x.9@208,8414.59 RFM9x.9@208,9514.59 RFM9x.9@208,10614.59 RFM9x.9@1408,714.59 RFM9x.9@1408,1814.59 RFM9x.9@1408,2914.59 RFM9x.9@1408,4014.59 RFM9x.9@1408,5114.59 RFM9x.9@1408,6214.59 RFM9x.9@1408,7314.59 RFM9x.9@1408,8414.59 RFM9x.9@1408,9514.59 RFM9x.9@1408,10614.59 RFM9x.9@2608,714.59 RFM9x.9@2608,1814.59 RFM9x.9@2608,2914.59 RFM9x.9@2608,4014.59 RFM9x.9@2608,5114.59 RFM9x.9@2608,6214.59 RFM9x.9@2608,7314.59 RFM9x.9@2608,8414.59 RFM9x.9@2608,9514.59 RFM9x.9@2608,10614.59 RFM9x.9@3808,714.59 RFM9x.9@3808,1814.59 RFM9x.9@3808,2914.59 RFM9x.9@3808,4014.59 RFM9x.9@3808,5114.59 RFM9x.9@3808,6214.59 RFM9x.9@3808,7314.59 RFM9x.9@3808,8414.59 RFM9x.9@3808,9514.59 RFM9x.9@3808,10614.59 RFM9x.9@5008,714.59 RFM9x.9@5008,1814.59 RFM9x.9@5008,2914.59 RFM9x.9@5008,4014.59 RFM9x.9@5008,5114.59 RFM9x.9@5008,6214.59 RFM9x.9@5008,7314.59 RFM9x.9@5008,8414.59 RFM9x.9@5008,9514.59 RFM9x.9@5008,10614.59 RFM9x.9@6208,714.59 RFM9x.9@6208,1814.59 RFM9x.9@6208,2914.59 RFM9x.9@6208,4014.59 RFM9x.9@6208,5114.59 RFM9x.9@6208,6214.59 RFM9x.9@6208,7314.59 RFM9x.9@6208,8414.59 RFM9x.9@6208,9514.59 RFM9x.9@6208,10614.59 RFM9x.10@208,1735.85 RFM9x.10@208,2835.85 RFM9x.10@208,3935.85 RFM9x.10@208,5035.85 RFM9x.10@208,6135.85 RFM9x.10@208,7235.85 RFM9x.10@208,8335.85 RFM9x.10@208,9435.85 RFM9x.10@208,10535.85 RFM9x.10@1408,635.85 RFM9x.10@1408,1735.85 RFM9x.10@1408,2835.85 RFM9x.10@1408,3935.85 RFM9x.10@1408,5035.85 RFM9x.10@1408,6135.85 RFM9x.10@1408,7235.85 RFM9x.10@1408,8335.85 RFM9x.10@1408,9435.85 RFM9x.10@1408,10535.85 RFM9x.10@2608,635.85 RFM9x.10@2608,1735.85 RFM9x.10@2608,2835.85 RFM9x.10@2608,3935.85 RFM9x.10@2608,5035.85 RFM9x.10@2608,6135.85 RFM9x.10@2608,7235.85 RFM9x.10@2608,8335.85 RFM9x.10@2608,9435.85 RFM9x.10@2608,10535.85 RFM9x.10@3808,635.85 RFM9x.10@3808,1735.85 RFM9x.10@3808,2835.85 RFM9x.10@3808,3935.85 RFM9x.10@3808,5035.85 RFM9x.10@3808,6135.85 RFM9x.10@3808,7235.85 RFM9x.10@3808,8335.85 RFM9x.10@3808,9435.85 RFM9x.10@3808,10535.85 RFM9x.10@5008,635.85 RFM9x.10@5008,1735.85 RFM9x.10@5008,2835.85 RFM9x.10@5008,3935.85 RFM9x.10@5008,5035.85 RFM9x.10@5008,6135.85 RFM9x.10@5008,7235.85 RFM9x.10@5008,8335.85 RFM9x.10@5008,9435.85 RFM9x.10@5008,10535.85 RFM9x.10@6208,635.85 RFM9x.10@6208,1735.85 RFM9x.10@6208,2835.85 RFM9x.10@6208,3935.85 RFM9x.10@6208,5035.85 RFM9x.10@6208,6135.85 RFM9x.10@6208,7235.85 RFM9x.10@6208,8335.85 RFM9x.10@6208,9435.85 RFM9x.10@6208,10535.85 RFM9x.11@208,1657.11 RFM9x.11@208,2757.11 RFM9x.11@208,3857.11 RFM9x.11@208,4957.11 RFM9x.11@208,6057.11 RFM9x.11@208,7157.11 RFM9x.11@208,8257.11 RFM9x.11@208,9357.11 RFM9x.11@208,10457.11 RFM9x.11@1408,557.11 RFM9x.11@1408,1657.11 RFM9x.11@1408,2757.11 RFM9x.11@1408,3857.11 RFM9x.11@1408,4957.11 RFM9x.11@1408,6057.11 RFM9x.11@1408,7157.11 RFM9x.11@1408,8257.11 RFM9x.11@1408,9357.11 RFM9x.11@1408,10457.11 RFM9x.11@2608,557.11 RFM9x.11@2608,1657.11 RFM9x.11@2608,2757.11 RFM9x.11@2608,3857.11 RFM9x.11@2608,4957.11 RFM9x.11@2608,6057.11 RFM9x.11@2608,7157.11 RFM9x.11@2608,8257.11 RFM9x.11@2608,9357.11 RFM9x.11@2608,10457.11 RFM9x.11@3808,557.11 RFM9x.11@3808,1657.11 RFM9x.11@3808,2757.11 RFM9x.11@3808,3857.11 RFM9x.11@3808,4957.11 RFM9x.11@3808,6057.11 RFM9x.11@3808,7157.11 RFM9x.11@3808,8257.11 RFM9x.11@3808,9357.11 RFM9x.11@3808,10457.11 RFM9x.11@5008,557.11 RFM9x.11@5008,1657.11 RFM9x.11@5008,2757.11 RFM9x.11@5008,3857.11 RFM9x.11@5008,4957.11 RFM9x.11@5008,6057.11 RFM9x.11@5008,7157.11 RFM9x.11@5008,8257.11 RFM9x.11@5008,9357.11 RFM9x.11@5008,10457.11 RFM9x.11@6208,557.11 RFM9x.11@6208,1657.11 RFM9x.11@6208,2757.11 RFM9x.11@6208,3857.11 RFM9x.11@6208,4957.11 RFM9x.11@6208,6057.11 RFM9x.11@6208,7157.11 RFM9x.11@6208,8257.11 RFM9x.11@6208,9357.11 RFM9x.11@6208,10457.11 RFM9x.12@208,1578.37 RFM9x.12@208,2678.37 RFM9x.12@208,3778.37 RFM9x.12@208,4878.37 RFM9x.12@208,5978.37 RFM9x.12@208,7078.37 RFM9x.12@208,8178.37 RFM9x.12@208,9278.37 RFM9x.12@208,10378.37 RFM9x.12@1408,478.37 RFM9x.12@1408,1578.37 RFM9x.12@1408,2678.37 RFM9x.12@1408,3778.37 RFM9x.12@1408,4878.37 RFM9x.12@1408,5978.37 RFM9x.12@1408,7078.37 RFM9x.12@1408,8178.37 RFM9x.12@1408,9278.37 RFM9x.12@1408,10378.37 RFM9x.12@2608,478.37 RFM9x.12@2608,1578.37 RFM9x.12@2608,2678.37 RFM9x.12@2608,3778.37 RFM9x.12@2608,4878.37 RFM9x.12@2608,5978.37 RFM9x.12@2608,7078.37 RFM9x.12@2608,8178.37 RFM9x.12@2608,9278.37 RFM9x.12@2608,10378.37 RFM9x.12@3808,478.37 RFM9x.12@3808,1578.37 RFM9x.12@3808,2678.37 RFM9x.12@3808,3778.37 RFM9x.12@3808,4878.37 RFM9x.12@3808,5978.37 RFM9x.12@3808,7078.37 RFM9x.12@3808,8178.37 RFM9x.12@3808,9278.37 RFM9x.12@3808,10378.37 RFM9x.12@5008,478.37 RFM9x.12@5008,1578.37 RFM9x.12@5008,2678.37 RFM9x.12@5008,3778.37 RFM9x.12@5008,4878.37 RFM9x.12@5008,5978.37 RFM9x.12@5008,7078.37 RFM9x.12@5008,8178.37 RFM9x.12@5008,9278.37 RFM9x.12@5008,10378.37 RFM9x.12@6208,478.37 RFM9x.12@6208,1578.37 RFM9x.12@6208,2678.37 RFM9x.12@6208,3778.37 RFM9x.12@6208,4878.37 RFM9x.12@6208,5978.37 RFM9x.12@6208,7078.37 RFM9x.12@6208,8178.37 RFM9x.12@6208,9278.37 RFM9x.12@6208,10378.37 RFM9x.13@208,1499 RFM9x.13@208,2599 RFM9x.13@208,3699 RFM9x.13@208,4799 RFM9x.13@208,5899 RFM9x.13@208,6999 RFM9x.13@208,8099 RFM9x.13@208,9199 RFM9x.13@208,10299 RFM9x.13@1408,399 RFM9x.13@1408,1499 RFM9x.13@1408,2599 RFM9x.13@1408,3699 RFM9x.13@1408,4799 RFM9x.13@1408,5899 RFM9x.13@1408,6999 RFM9x.13@1408,8099 RFM9x.13@1408,9199 RFM9x.13@1408,10299 RFM9x.13@2608,399 RFM9x.13@2608,1499 RFM9x.13@2608,2599 RFM9x.13@2608,3699 RFM9x.13@2608,4799 RFM9x.13@2608,5899 RFM9x.13@2608,6999 RFM9x.13@2608,8099 RFM9x.13@2608,9199 RFM9x.13@2608,10299 RFM9x.13@3808,399 RFM9x.13@3808,1499 RFM9x.13@3808,2599 RFM9x.13@3808,3699 RFM9x.13@3808,4799 RFM9x.13@3808,5899 RFM9x.13@3808,6999 RFM9x.13@3808,8099 RFM9x.13@3808,9199 RFM9x.13@3808,10299 RFM9x.13@5008,399 RFM9x.13@5008,1499 RFM9x.13@5008,2599 RFM9x.13@5008,3699 RFM9x.13@5008,4799 RFM9x.13@5008,5899 RFM9x.13@5008,6999 RFM9x.13@5008,8099 RFM9x.13@5008,9199 RFM9x.13@5008,10299 RFM9x.13@6208,399 RFM9x.13@6208,1499 RFM9x.13@6208,2599 RFM9x.13@6208,3699 RFM9x.13@6208,4799 RFM9x.13@6208,5899 RFM9x.13@6208,6999 RFM9x.13@6208,8099 RFM9x.13@6208,9199 RFM9x.13@6208,10299 RFM9x.14@208,1420 RFM9x.14@208,2520 RFM9x.14@208,3620 RFM9x.14@208,4720 RFM9x.14@208,5820 RFM9x.14@208,6920 RFM9x.14@208,8020 RFM9x.14@208,9120 RFM9x.14@208,10220 RFM9x.14@1408,320 RFM9x.14@1408,1420 RFM9x.14@1408,2520 RFM9x.14@1408,3620 RFM9x.14@1408,4720 RFM9x.14@1408,5820 RFM9x.14@1408,6920 RFM9x.14@1408,8020 RFM9x.14@1408,9120 RFM9x.14@1408,10220 RFM9x.14@2608,320 RFM9x.14@2608,1420 RFM9x.14@2608,2520 RFM9x.14@2608,3620 RFM9x.14@2608,4720 RFM9x.14@2608,5820 RFM9x.14@2608,6920 RFM9x.14@2608,8020 RFM9x.14@2608,9120 RFM9x.14@2608,10220 RFM9x.14@3808,320 RFM9x.14@3808,1420 RFM9x.14@3808,2520 RFM9x.14@3808,3620 RFM9x.14@3808,4720 RFM9x.14@3808,5820 RFM9x.14@3808,6920 RFM9x.14@3808,8020 RFM9x.14@3808,9120 RFM9x.14@3808,10220 RFM9x.14@5008,320 RFM9x.14@5008,1420 RFM9x.14@5008,2520 RFM9x.14@5008,3620 RFM9x.14@5008,4720 RFM9x.14@5008,5820 RFM9x.14@5008,6920 RFM9x.14@5008,8020 RFM9x.14@5008,9120 RFM9x.14@5008,10220 RFM9x.14@6208,320 RFM9x.14@6208,1420 RFM9x.14@6208,2520 RFM9x.14@6208,3620 RFM9x.14@6208,4720 RFM9x.14@6208,5820 RFM9x.14@6208,6920 RFM9x.14@6208,8020 RFM9x.14@6208,9120 RFM9x.14@6208,10220 RFM9x.15@208,1342 RFM9x.15@208,2442 RFM9x.15@208,3542 RFM9x.15@208,4642 RFM9x.15@208,5742 RFM9x.15@208,6842 RFM9x.15@208,7942 RFM9x.15@208,9042 RFM9x.15@208,10142 RFM9x.15@1408,242 RFM9x.15@1408,1342 RFM9x.15@1408,2442 RFM9x.15@1408,3542 RFM9x.15@1408,4642 RFM9x.15@1408,5742 RFM9x.15@1408,6842 RFM9x.15@1408,7942 RFM9x.15@1408,9042 RFM9x.15@1408,10142 RFM9x.15@2608,242 RFM9x.15@2608,1342 RFM9x.15@2608,2442 RFM9x.15@2608,3542 RFM9x.15@2608,4642 RFM9x.15@2608,5742 RFM9x.15@2608,6842 RFM9x.15@2608,7942 RFM9x.15@2608,9042 RFM9x.15@2608,10142 RFM9x.15@3808,242 RFM9x.15@3808,1342 RFM9x.15@3808,2442 RFM9x.15@3808,3542 RFM9x.15@3808,4642 RFM9x.15@3808,5742 RFM9x.15@3808,6842 RFM9x.15@3808,7942 RFM9x.15@3808,9042 RFM9x.15@3808,10142 RFM9x.15@5008,242 RFM9x.15@5008,1342 RFM9x.15@5008,2442 RFM9x.15@5008,3542 RFM9x.15@5008,4642 RFM9x.15@5008,5742 RFM9x.15@5008,6842 RFM9x.15@5008,7942 RFM9x.15@5008,9042 RFM9x.15@5008,10142 RFM9x.15@6208,242 RFM9x.15@6208,1342 RFM9x.15@6208,2442 RFM9x.15@6208,3542 RFM9x.15@6208,4642 RFM9x.15@6208,5742 RFM9x.15@6208,6842 RFM9x.15@6208,7942 RFM9x.15@6208,9042 RFM9x.15@6208,10142 RFM9x.16@208,1263 RFM9x.16@208,2363 RFM9x.16@208,3463 RFM9x.16@208,4563 RFM9x.16@208,5663 RFM9x.16@208,6763 RFM9x.16@208,7863 RFM9x.16@208,8963 RFM9x.16@208,10063 RFM9x.16@1408,163 RFM9x.16@1408,1263 RFM9x.16@1408,2363 RFM9x.16@1408,3463 RFM9x.16@1408,4563 RFM9x.16@1408,5663 RFM9x.16@1408,6763 RFM9x.16@1408,7863 RFM9x.16@1408,8963 RFM9x.16@1408,10063 RFM9x.16@2608,163 RFM9x.16@2608,1263 RFM9x.16@2608,2363 RFM9x.16@2608,3463 RFM9x.16@2608,4563 RFM9x.16@2608,5663 RFM9x.16@2608,6763 RFM9x.16@2608,7863 RFM9x.16@2608,8963 RFM9x.16@2608,10063 RFM9x.16@3808,163 RFM9x.16@3808,1263 RFM9x.16@3808,2363 RFM9x.16@3808,3463 RFM9x.16@3808,4563 RFM9x.16@3808,5663 RFM9x.16@3808,6763 RFM9x.16@3808,7863 RFM9x.16@3808,8963 RFM9x.16@3808,10063 RFM9x.16@5008,163 RFM9x.16@5008,1263 RFM9x.16@5008,2363 RFM9x.16@5008,3463 RFM9x.16@5008,4563 RFM9x.16@5008,5663 RFM9x.16@5008,6763 RFM9x.16@5008,7863 RFM9x.16@5008,8963 RFM9x.16@5008,10063 RFM9x.16@6208,163 RFM9x.16@6208,1263 RFM9x.16@6208,2363 RFM9x.16@6208,3463 RFM9x.16@6208,4563 RFM9x.16@6208,5663 RFM9x.16@6208,6763 RFM9x.16@6208,7863 RFM9x.16@6208,8963 RFM9x.16@6208,10063